# Altium PCB MB1936.PcbDoc (part 1 of 13) (continued)
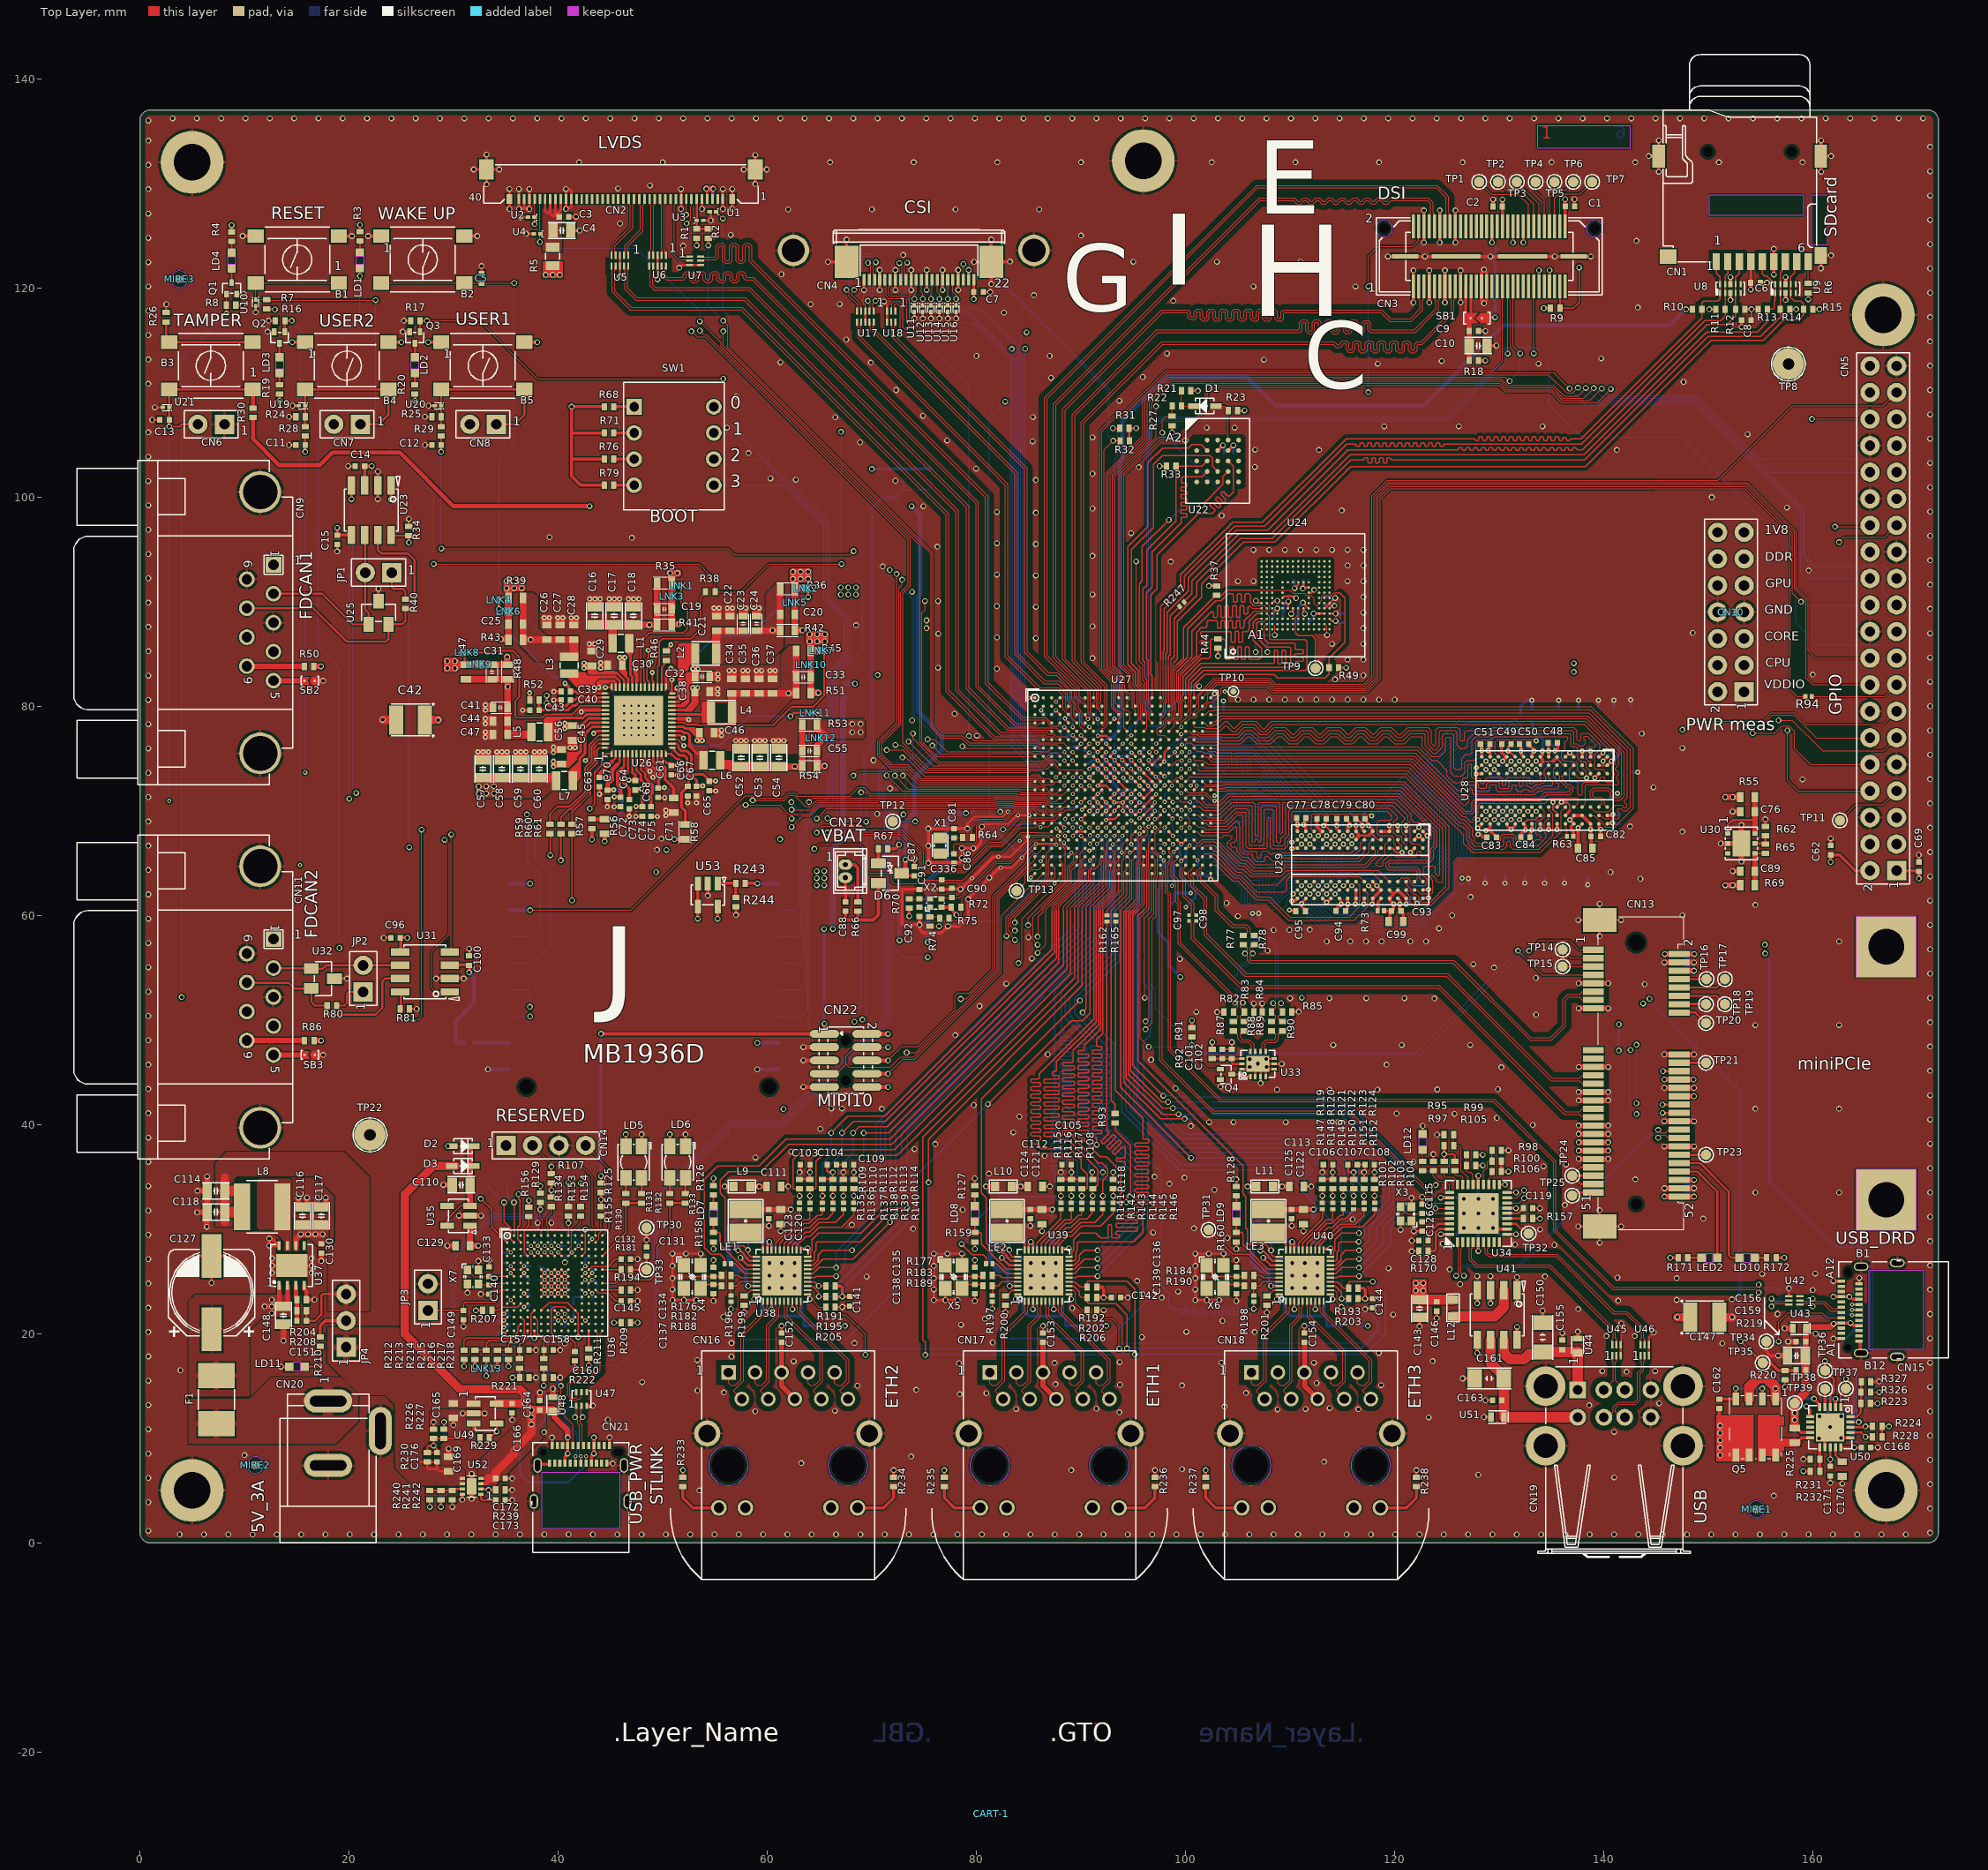
[diagram p0: Top Layer view]
## Design rules (kind name [scope] priority, off if disabled: settings) (continued)
RoutingLayers [All] p7: top layer_v5=TRUE mid layer 1_v5=TRUE mid layer 2_v5=TRUE mid layer 3_v5=TRUE mid layer 4_v5=TRUE bottom layer_v5=TRUE
RoutingVias RoutingVias_Default [All] p1: holewidth=0.15 width=0.4 viastyle="Through Hole" minholewidth=0.15 minwidth=0.4 maxholewidth=0.35 maxwidth=0.6 viatemplateguid#1={5DDA59CE-75AD-463D-953D-41E5DFD22A90} viatemplateguid#2={40F6E5AB-E602-4A5B-B1FB-D504E8CD151B} viatemplateguid#3={5FB3A576-9C61-40FB-A114-9033EB4BA092} viatemplateguid#4={BB8F4C89-420F-4EBC-9772-FD82009DE81A} viatemplateguid#5={3FF096CA-B7A5-4E0B-A50A-8B2CD18CCC19} viatemplatename#1=v50h25m30mx30 viatemplatename#2=v55h35m40mx40 viatemplatename#3=v40h20m0mx0 viatemplatename#4=v40h20m25mx25 viatemplatename#5=v50h25m0mx0
ShortCircuit ShortCircuit_I-SENS-VDDCORE_N [InNet('I_SENS_VDDCORE_N') vs InNet('VDDCORE')] p1: allowed=TRUE
ShortCircuit ShortCircuit_I-SENS-VDDGPU_N [InNet('I_SENS_VDDGPU_N') vs InNet('VDDGPU')] p2: allowed=TRUE
ShortCircuit ShortCircuit_I-SENS-VDDIO_N [InNet('I_SENS_VDDIO_N') vs InNet('VDDIO')] p3: allowed=TRUE
ShortCircuit ShortCircuit_I-SENS-VDDCPU_N [InNet('I_SENS_VDDCPU_N') vs InNet('VDDCPU')] p4: allowed=TRUE
ShortCircuit ShortCircuit_VDD_DDR [InNet('VDD_DDR') And OnLayer('Top Layer') vs InNet('I_SENS_VDD_DDR_4_N') And OnLayer('Top Layer')] p5: allowed=TRUE
ShortCircuit ShortCircuit_Link200 [InPadClass('PC_LINK200')] p6: allowed=TRUE
SilkToSilkClearance [All] p1: silktosilkclearance=0.2
SilkToSolderMaskClearance [IsPad] p1: minsilkscreentomaskgap=0.015 clearancetoexposedcopper=TRUE
SolderMaskExpansion [All] p1: expansion=0.1 istentingtop=FALSE
ViasUnderSMD [InPadClass('PC_VIAS-IN-PAD_OK')] p1: allowed=TRUE
Width Width_SINGLE_50R [InNetClass('NC_SINGLE_SDMMC1_50R') or  InNetClass('NC_SINGLE_SDMMC2_50R') or InNetClass('NC_SINGLE_OCTOSPI_50R') or InNetClass('NC_SINGLE_RGMII_ALL_50R_AND_CLK')] p1: maxlimit=0.199 minlimit=0.078 preferedwidth=0.199 toplayer_minwidth=0.09 toplayer_maxwidth=0.11 toplayer_prefwidth=0.11 bottomlayer_minwidth=0.09 bottomlayer_maxwidth=0.11 bottomlayer_prefwidth=0.11 impedanceprofiledriven=TRUE impedanceprofileid={BF206F84-D843-4EED-AB36-0A4DAE8FF78E} impedanceprofilevalue=50.000000 minimp=50.000000 maximp=50.000000 favimp=50.000000
Width Width_SINGLE_DDR_55R [InNetClass('NC_SINGLE_DDR_55R')] p2: maxlimit=0.199 minlimit=0.078 preferedwidth=0.199 toplayer_minwidth=0.09 toplayer_maxwidth=0.09 toplayer_prefwidth=0.09 bottomlayer_minwidth=0.09 bottomlayer_maxwidth=0.09 bottomlayer_prefwidth=0.09 impedanceprofiledriven=TRUE impedanceprofileid={AA24371C-465E-452F-8EAC-78B770D9C87C} impedanceprofilevalue=55.000000 minimp=50.000000 maximp=50.000000 favimp=50.000000
Width Width_Default [InNetClass('All Nets')] p3: maxlimit=10 minlimit=0.09 preferedwidth=0.1 midlayer1_minwidth=0.1 midlayer2_minwidth=0.1 midlayer3_minwidth=0.1 midlayer4_minwidth=0.1 minimp=50.000000 maximp=50.000000 favimp=50.000000
15 further rules are at their usual default settings.

## Classes and differential pairs
component class "U_Expansion _&_mikroBUS_Connectors": C62 C69 CN5 CN25 R94 R243 R244 R289 U53
component class U_USB_HUB: C115 C119 C126 C128 C143 C146 C150 C155 C161 C163 C273 C275 C276 C277 C283 C284 C285 CN19 L12 LD12 R95 R97 R98 R99 R100 R101 R102 R103 R104 R105 R106 R157 R170 R323 R324 TP32 U34 U41 U44 U45 U46 U51 X3
differential pair class DPC_CSI_100R_CON: CSI.CKcon CSI.D0con CSI.D1con
differential pair class DPC_LVDS_100R: LVDS1.CLK LVDS1.D0 LVDS1.D1 LVDS1.D2 LVDS1.D3
net class NC_SINGLE_OCTOSPI_50R: QSPI1.CLK QSPI1.IO0 QSPI1.IO1 QSPI1.IO2 QSPI1.IO3 QSPI1.NCS1
differential pair class DPC_ETH_100R: RJ451_D1 RJ451_D2 RJ451_D3 RJ451_D4 RJ452_D1 RJ452_D2 RJ452_D3 RJ452_D4 RJ453_D1 RJ453_D2 RJ453_D3 RJ453_D4
net class NC_SINGLE_SDMMC2_50R: eMMC.SDMMC2_CK eMMC.SDMMC2_CMD eMMC.SDMMC2_D0 eMMC.SDMMC2_D1 eMMC.SDMMC2_D2 eMMC.SDMMC2_D3 eMMC.SDMMC2_D4 eMMC.SDMMC2_D5 eMMC.SDMMC2_D6 eMMC.SDMMC2_D7
net class NC_SINGLE_SDMMC1_50R: NetCN1_5 SD.SDMMC1_CK SD.SDMMC1_CMD SD.SDMMC1_D0 SD.SDMMC1_D1 SD.SDMMC1_D2 SD.SDMMC1_D3
net class NC_SINGLE_DDR_55R: DDR_A0 DDR_A1 DDR_A2 DDR_A3 DDR_A4 DDR_A5 DDR_A6 DDR_A7 DDR_A8 DDR_A9 DDR_A10 DDR_A11 DDR_A12 DDR_A13 DDR_ACTN DDR_BA0 DDR_BA1 DDR_BG0 DDR_CASN DDR_CKE DDR_CSN DDR_DQ0 DDR_DQ1 DDR_DQ2 DDR_DQ3 DDR_DQ4 DDR_DQ5 DDR_DQ6 DDR_DQ7 DDR_DQ8 DDR_DQ9 DDR_DQ10 DDR_DQ11 DDR_DQ12 DDR_DQ13 DDR_DQ14 DDR_DQ15 DDR_DQ16 DDR_DQ17 DDR_DQ18 DDR_DQ19 DDR_DQ20 DDR_DQ21 DDR_DQ22 DDR_DQ23 DDR_DQ24 DDR_DQ25 DDR_DQ26 DDR_DQ27 DDR_DQ28 DDR_DQ29 DDR_DQ30 DDR_DQ31 DDR_DQM0 DDR_DQM1 DDR_DQM2 DDR_DQM3 DDR_ODT DDR_RASN DDR_WEN
net class NC_SINGLE_RGMII_ALL_50R_AND_CLK: ETH1.CLK ETH1.CLK125 ETH1.GTX_CLK ETH1.MDC ETH1.MDINT ETH1.MDIO ETH1.RX_CLK ETH1.RX_CTL ETH1.RXD0 ETH1.RXD1 ETH1.RXD2 ETH1.RXD3 ETH1.TX_CTL ETH1.TXD0 ETH1.TXD1 ETH1.TXD2 ETH1.TXD3 ETH1i.CLK125 ETH2.CLK ETH2.CLK125 ETH2.GTX_CLK ETH2.MDC ETH2.MDINT ETH2.MDIO ETH2.RX_CLK ETH2.RX_CTL ETH2.RXD0 ETH2.RXD1 ETH2.RXD2 ETH2.RXD3 ETH2.TX_CTL ETH2.TXD0 ETH2.TXD1 ETH2.TXD2 ETH2.TXD3 ETH3.GTX_CLK ETH3.MDINT ETH3.RX_CLK ETH3.RX_CTL ETH3.RXD0 ETH3.RXD1 ETH3.RXD2 ETH3.RXD3 ETH3.TX_CTL ETH3.TXD0 ETH3.TXD1 ETH3.TXD2 ETH3.TXD3 NetR141_2 NetR142_2 NetR143_2 NetR144_2 NetR145_2 NetR146_2 NetR161_2 NetR162_2 NetR163_2 NetR164_2 NetR165_2 NetR166_2 NetR167_2 NetR168_2 NetR169_2 NetR173_2 NetR174_2 NetR175_2 NetR177_2 NetR178_2 NetR179_2 NetR180_2 NetR185_2 NetR186_2 NetR187_2 NetR189_2 NetR262_2
net class NC_BUS_JTAG: JTCK_SWCLK JTDI JTDO_SWDO JTMS_SWDIO
differential pair class DPC_CSI_100R: CSI.CK CSI.D0 CSI.D1
differential pair class DPC_LVDS_100R_CON: LVDS1.CLKcon LVDS1.D0con LVDS1.D1con LVDS1.D2con LVDS1.D3con
differential pair class DPC_USB_90R: PCIE.USB STLK_USB STLK_USB_CN USB1CN USB2CN USB_DCONN USBDN2 USBDN3 USBDR USBH
differential pair class DPC_PCIE_100R: 100MCLK0 100MCLK1 COMBOTX1 PCIE.CLKIN PCIE.CLKOUT PCIE.RX1 PCIE.TX1 PCIE_CLKOUT
differential pair class DPC_DSI_100R: DSI.CK DSI.D0 DSI.D1 DSI.D2 DSI.D3
differential pair class DPC_DDR_100R: DDR_CLK DDR_DQS0 DDR_DQS1 DDR_DQS2 DDR_DQS3
net class NC_DP_DDR_100R: DDR_CLK_N DDR_CLK_P DDR_DQS0_N DDR_DQS0_P DDR_DQS1_N DDR_DQS1_P DDR_DQS2_N DDR_DQS2_P DDR_DQS3_N DDR_DQS3_P
net class NC_DP_USB_90R: PCIE.USB_N PCIE.USB_P STLK_USB_CN_N STLK_USB_CN_P STLK_USB_N STLK_USB_P USB1CN_N USB1CN_P USB2CN_N USB2CN_P USB_DCONN_N USB_DCONN_P USBDN2_N USBDN2_P USBDN3_N USBDN3_P USBDR_N USBDR_P USBH_N USBH_P
net class SD.SDMMC1_D[0..3]: SD.SDMMC1_D0 SD.SDMMC1_D1 SD.SDMMC1_D2 SD.SDMMC1_D3
net class QSPI1.IO[0..3]: QSPI1.IO0 QSPI1.IO1 QSPI1.IO2 QSPI1.IO3
net class ETH3.TXD[0..3]: ETH3.TXD0 ETH3.TXD1 ETH3.TXD2 ETH3.TXD3
net class ETH3.RXD[0..3]: ETH3.RXD0 ETH3.RXD1 ETH3.RXD2 ETH3.RXD3
net class ETH2.TXD[0..3]: ETH2.TXD0 ETH2.TXD1 ETH2.TXD2 ETH2.TXD3
net class ETH2.RXD[0..3]: ETH2.RXD0 ETH2.RXD1 ETH2.RXD2 ETH2.RXD3
net class ETH1.TXD[0..3]: ETH1.TXD0 ETH1.TXD1 ETH1.TXD2 ETH1.TXD3
net class ETH1.RXD[0..3]: ETH1.RXD0 ETH1.RXD1 ETH1.RXD2 ETH1.RXD3
net class eMMC.SDMMC2_D[0..7]: eMMC.SDMMC2_D0 eMMC.SDMMC2_D1 eMMC.SDMMC2_D2 eMMC.SDMMC2_D3 eMMC.SDMMC2_D4 eMMC.SDMMC2_D5 eMMC.SDMMC2_D6 eMMC.SDMMC2_D7
net class BOOT[0..3]: BOOT0 BOOT1 BOOT2 BOOT3
net class ARD_D[0..15]: EXP_GPIO2 EXP_GPIO3
component class U_Video: C1 C2 C3 C4 C7 C9 C10 C174 CN2 CN3 CN4 R1 R2 R5 R9 R18 R250 R251 SB1 TP1 TP2 TP3 TP4 TP5 TP6 TP7 U1 U2 U3 U4 U5 U6 U7 U11 U12 U13 U14 U15 U16 U17 U18
component class U_USB_PCIe: C97 C98 C101 C102 C156 C159 C162 C168 C170 C171 C265 C266 C267 C268 C269 C272 C274 C334 C335 CN13 HW8 HW9 HW10 HW11 LD10 LED2 Q4 Q5 R77 R78 R82 R83 R84 R85 R87 R88 R89 R90 R91 R92 R171 R172 R219 R220 R223 R225 R231 R232 R274 R285 R287 R290 R291 R325 R326 TP14 TP15 TP16 TP17 TP18 TP19 TP20 TP21 TP23 TP24 TP25 TP34 TP36 TP37 TP38 TP39 U33 U42 U43 U50
component class U_2_DDR4_16bits: C48 C49 C50 C51 C77 C78 C79 C80 C82 C83 C84 C85 C93 C94 C95 C99 C183 C184 C185 C186 C187 C188 C189 C198 C202 C211 C226 C236 C238 C239 C245 C247 C254 C255 C256 C257 C258 C259 C261 C262 C264 CN3 R63 R73 R252 R253 R254 R255 R256 R257 R258 R259 R262 R263 R264 R265 R266 R268 R270 R271 R273 R275 R276 R277 R278 R279 R280 R281 R282 R283 R284 TP10 U29
component class U_STLINK_V3EC: C110 C129 C131 C132 C133 C140 C145 C149 C157 C158 C160 C164 C165 C166 C169 C172 C173 C176 C281 C282 C289 C290 C297 C298 C299 C303 C310 C311 C324 C325 C326 C327 C328 C329 C333 CN14 D2 D3 JP3 LD5 LD6 LNK13 R129 R130 R131 R132 R133 R134 R153 R154 R155 R156 R181 R194 R207 R209 R211 R212 R213 R214 R215 R216 R217 R218 R221 R222 R226 R227 R229 R230 R239 R240 R241 R242 TP26 TP27 TP28 TP29 TP33 U35 U36 U47 U48 U49 U52 X7
component class U_SDcard_eMMC: C6 C8 C177 C178 C179 C180 C181 C182 CN1 D5 HW7 R6 R10 R11 R12 R13 R14 R15 R37 R44 R49 R247 R248 TP9 U8 U9 U24
component class U_QSPI_NOR: C175 D1 R21 R22 R23 R33 U22
component class U_Power_MPU: C87 C88 C190 C191 C192 C193 C194 C195 C196 C197 C199 C200 C201 C203 C204 C205 C206 C207 C208 C209 C210 C212 C213 C214 C215 C216 C217 C218 C219 C220 C221 C222 C223 C224 C225 C227 C228 C229 C230 C231 C232 C233 C234 C235 C237 C240 C241 C242 C243 C244 C246 C248 C249 C250 C251 C252 C253 C260 CN12 D6 R66 R67 R249 R267 R269 R286 TP22
component class U_Power_PMIC: B2 C5 C16 C17 C18 C19 C20 C21 C22 C23 C24 C25 C26 C27 C28 C29 C30 C31 C32 C33 C34 C35 C36 C37 C38 C39 C40 C41 C42 C43 C44 C45 C46 C47 C52 C53 C54 C55 C56 C57 C58 C59 C60 C61 C63 C64 C65 C66 C67 C68 C70 C71 C72 C73 C74 C75 C76 C89 C114 C116 C117 C118 C127 C130 C147 C148 C151 CN10 CN20 F1 HW1 JP4 L1 L2 L3 L4 L5 L6 L7 L8 LD11 LNK1 LNK2 LNK3 LNK4 LNK5 LNK6 LNK7 LNK8 LNK9 LNK10 LNK11 LNK12 R35 R36 R38 R39 R41 R42 R43 R45 R46 R47 R48 R51 R52 R53 R54 R55 R56 R57 R58 R59 R60 R61 R62 R65 R69 R204 R208 R210 TP8 U26 U30 U37
component class U_Peripherals: B1 B3 B4 B5 C11 C12 C13 CN6 CN7 CN8 HW2 HW3 HW4 HW5 HW6 HW1301 HW1302 HW1303 LD1 LD2 LD12 Q1 Q2 Q3 R3 R4 R7 R8 R16 R17 R19 R20 R24 R25 R26 R28 R29 R30 R68 R71 R76 R79 SW1 U10 U19 U20 U21
component class U_MP257_18x18: C81 C86 C90 C91 C92 CN3 CN22 R27 R31 R32 R64 R70 R72 R74 R75 R107 R125 R205 R206 R224 R228 R245 R246 R260 R261 R272 TP11 TP12 TP13 TP30 TP35 X1 X2
component class U_FDCAN: C14 C15 C96 C100 CN9 CN11 JP1 JP2 R34 R40 R50 R80 R81 R86 SB2 SB3 U23 U25 U31 U32
component class U_Ethernet3: C106 C107 C108 C113 C122 C125 C136 C139 C144 C154 C278 C286 C291 C292 C300 C304 C307 C312 C315 C318 C319 C330 CN18 L11 L13 LD9 LE3 R119 R120 R121 R122 R123 R124 R128 R147 R148 R149 R150 R151 R152 R160 R163 R166 R169 R175 R180 R184 R187 R190 R193 R198 R201 R203 R237 R238 R297 R298 R299 R306 R307 R308 R311 R314 R315 R320 TP31 U40 X6
component class U_Ethernet2: C103 C104 C109 C111 C120 C123 C134 C137 C141 C152 C280 C288 C295 C296 C302 C306 C309 C314 C317 C322 C323 C332 CN16 L9 L15 LD7 LE1 R109 R110 R111 R112 R113 R114 R126 R135 R136 R137 R138 R139 R140 R158 R161 R164 R167 R173 R176 R178 R182 R185 R188 R191 R195 R196 R199 R233 R234 R292 R293 R303 R304 R305 R310 R313 R318 R319 R322 U38 X4
component class U_Ethernet1: C105 C112 C121 C124 C135 C138 C142 C153 C270 C271 C279 C287 C293 C294 C301 C305 C308 C313 C316 C320 C321 C331 CN17 L10 L14 LD8 LE2 R93 R108 R115 R116 R117 R118 R127 R141 R142 R143 R144 R145 R146 R159 R162 R165 R168 R174 R177 R179 R183 R186 R189 R192 R197 R200 R202 R235 R236 R294 R295 R296 R300 R301 R302 R309 R312 R316 R317 R321 U39 X5
pad class PC_VIAS-IN-PAD_OK: U121-25 U801-15 U5002-9 U9000-21
pad class PC_LINK200: LNK4000-1 LNK4000-2 LNK4001-1 LNK4001-2 LNK4002-1 LNK4002-2 LNK4004-1 LNK4004-2 LNK4005-1 LNK4005-2 LNK4006-1 LNK4006-2 LNK4007-1 LNK4007-2 LNK4008-1 LNK4008-2 LNK4009-1 LNK4009-2
differential pair LVDS1.D3con: +LVDS1.D3con_P -LVDS1.D3con_N
differential pair LVDS1.D2con: +LVDS1.D2con_P -LVDS1.D2con_N
differential pair LVDS1.D1con: +LVDS1.D1con_P -LVDS1.D1con_N
differential pair LVDS1.D0con: +LVDS1.D0con_P -LVDS1.D0con_N
differential pair LVDS1.CLKcon: +LVDS1.CLKcon_P -LVDS1.CLKcon_N
differential pair CSI.D1con: +CSI.D1con_P -CSI.D1con_N
differential pair CSI.D0con: +CSI.D0con_P -CSI.D0con_N
differential pair CSI.CKcon: +CSI.CKcon_P -CSI.CKcon_N
differential pair USBDR: +USBDR_P -USBDR_N
differential pair USBDN3: +USBDN3_P -USBDN3_N
differential pair USBDN2: +USBDN2_P -USBDN2_N
differential pair USB_DCONN: +USB_DCONN_P -USB_DCONN_N
differential pair USB2CN: +USB2CN_P -USB2CN_N
differential pair USB1CN: +USB1CN_P -USB1CN_N
differential pair STLK_USB: +STLK_USB_P -STLK_USB_N
differential pair STLK_USB_CN: +STLK_USB_CN_P -STLK_USB_CN_N
differential pair RJ453_D4: +RJ453_D4_P -RJ453_D4_N
differential pair RJ453_D3: +RJ453_D3_P -RJ453_D3_N
differential pair RJ453_D2: +RJ453_D2_P -RJ453_D2_N
differential pair RJ453_D1: +RJ453_D1_P -RJ453_D1_N
differential pair RJ452_D4: +RJ452_D4_P -RJ452_D4_N
differential pair RJ452_D3: +RJ452_D3_P -RJ452_D3_N
differential pair RJ452_D2: +RJ452_D2_P -RJ452_D2_N
differential pair RJ452_D1: +RJ452_D1_P -RJ452_D1_N
differential pair RJ451_D4: +RJ451_D4_P -RJ451_D4_N
differential pair RJ451_D3: +RJ451_D3_P -RJ451_D3_N
differential pair RJ451_D2: +RJ451_D2_P -RJ451_D2_N
differential pair RJ451_D1: +RJ451_D1_P -RJ451_D1_N
differential pair PCIE_CLKOUT: +PCIE_CLKOUT_P -PCIE_CLKOUT_N
differential pair PCIE.USB: +PCIE.USB_P -PCIE.USB_N
differential pair PCIE.CLKIN: +PCIE.CLKIN_P -PCIE.CLKIN_N
differential pair LVDS1.CLK: +LVDS1.CLK_P -LVDS1.CLK_N
differential pair DDR_DQS3: +DDR_DQS3_P -DDR_DQS3_N
differential pair DDR_DQS2: +DDR_DQS2_P -DDR_DQS2_N
differential pair DDR_DQS1: +DDR_DQS1_P -DDR_DQS1_N
differential pair DDR_DQS0: +DDR_DQS0_P -DDR_DQS0_N
differential pair DDR_CLK: +DDR_CLK_P -DDR_CLK_N
differential pair COMBOTX1: +COMBOTX1_P -COMBOTX1_N
differential pair 100MCLK1: +100MCLK1_P -100MCLK1_N
differential pair 100MCLK0: +100MCLK0_P -100MCLK0_N
differential pair USBH: +USBH_P -USBH_N
differential pair PCIE.TX1: +PCIE.TX1_P -PCIE.TX1_N
differential pair PCIE.RX1: +PCIE.RX1_P -PCIE.RX1_N
differential pair PCIE.CLKOUT: +PCIE.CLKOUT_P -PCIE.CLKOUT_N
differential pair LVDS1.D3: +LVDS1.D3_P -LVDS1.D3_N
differential pair LVDS1.D2: +LVDS1.D2_P -LVDS1.D2_N
differential pair LVDS1.D1: +LVDS1.D1_P -LVDS1.D1_N
differential pair LVDS1.D0: +LVDS1.D0_P -LVDS1.D0_N
differential pair DSI.D3: +DSI.D3_P -DSI.D3_N
differential pair DSI.D2: +DSI.D2_P -DSI.D2_N
differential pair CSI.D1: +CSI.D1_P -CSI.D1_N
differential pair CSI.D0: +CSI.D0_P -CSI.D0_N
differential pair CSI.CK: +CSI.CK_P -CSI.CK_N
differential pair DSI.D1: +DSI.D1_P -DSI.D1_N
differential pair DSI.D0: +DSI.D0_P -DSI.D0_N
differential pair DSI.CK: +DSI.CK_P -DSI.CK_N

## Components (designator, comment, footprint, x,y, rotation, side; value= is the part's Value field where it differs from the comment)
B1 "SW_PUSH_SMD" SWI_KNITTER_TSS644S 15.048,122.7 r180 top value=SW-PUSH-TSS644S
B2 "SW_PUSH_SMD" SWI_KNITTER_TSS644S 27.048,122.7 r0 top value=SW-PUSH-TSS644S
B3 "SW_PUSH_SMD" SWI_KNITTER_TSS644S 6.787,112.55 r180 top value=SW-PUSH-TSS644S
B4 "SW_PUSH_SMD" SWI_KNITTER_TSS644S 19.787,112.55 r0 top value=SW-PUSH-TSS644S
B5 "SW_PUSH_SMD" SWI_KNITTER_TSS644S 32.788,112.55 r0 top value=SW-PUSH-TSS644S
C1 "Capacitor" C0402 136.75,127.796 r180 top value=100nF
C2 "Capacitor" C0402 129.85,127.775 r0 top value=100nF
C3 "Capacitor" C0402 40.55,126.8 r180 top value=100nF
C4 "Capacitor" C0805 40.35,125.475 r180 top value=47uF
C5 "Capacitor" C0402 32.675,120.9 r270 top value=10nF
C6 "Capacitor" C0402 154.5,120.48 r180 top value=4.7uF
C7 "Capacitor" C0402 80.2,119.6 r180 top value=1uF
C8 "Capacitor" C0402 153.625,116.925 r0 top value=100nF
C9 "Capacitor" C0402 127.573,115.875 r180 top value=100nF
C10 "Capacitor" C0805 127.973,114.475 r180 top value=47uF
C11 "Capacitor" C0402 15.363,104.975 r0 top value=100nF
C12 "Capacitor" C0402 28.363,104.975 r0 top value=100nF
C13 "Capacitor" C0402 2.362,107.375 r0 top value=1nF
C14 "Capacitor" C0402 21.044,102.946 r180 top value=100nF
C15 "Capacitor" C0402 18.869,95.911 r90 top value=100nF
C16 "Capacitor" C0805 43.5,88.627 r270 top value=22uF
C17 "Capacitor" C0805 45.35,88.627 r270 top value=22uF
C18 "Capacitor" C0805 47.2,88.627 r270 top value=22uF
C19 "Capacitor" C0603 50.155,89.277 r180 top value=22uF
C20 "Capacitor" C0603 61.93,88.752 r180 top value=22uF
C21 "Capacitor" C0603 55.15,87.902 r270 top value=22uF
C22 "Capacitor" C0603 56.425,87.902 r270 top value=22uF
C23 "Capacitor" C0603 57.7,87.902 r270 top value=22uF
C24 "Capacitor" C0603 58.975,87.902 r270 top value=22uF
C25 "Capacitor" C0603 35.945,87.852 r0 top value=22uF
C26 "Capacitor" C0603 38.9,87.052 r270 top value=22uF
C27 "Capacitor" C0603 40.2,87.052 r270 top value=22uF
C28 "Capacitor" C0603 41.5,87.052 r270 top value=22uF
C29 "Capacitor" C0603 43.225,84.552 r270 top value=10uF
C30 "Capacitor" C0603 45.45,83.902 r0 top value=10uF
C31 "Capacitor" C0603 33.675,83.277 r270 top value=22uF
C32 "Capacitor" C0603 53.8,82.827 r180 top value=10uF
C33 "Capacitor" C0603 63.455,82.777 r180 top value=22uF
C34 "Capacitor" C0603 56.6,81.927 r270 top value=22uF
C35 "Capacitor" C0603 57.9,81.927 r270 top value=22uF
C36 "Capacitor" C0603 59.2,81.927 r270 top value=22uF
C37 "Capacitor" C0603 60.5,81.927 r270 top value=22uF
C38 "Capacitor" C0603 53.775,81.402 r180 top value=10uF
C39 "Capacitor" C0402 40.725,81.402 r0 top value=10uF
C40 "Capacitor" C0402 40.725,80.577 r0 top value=10uF
C41 "Capacitor" C0603 34.475,79.877 r0 top value=22uF
C42 "Cap_POL_TANA" CPOL_TCJ-B_1210_H210 25.875,78.675 r180 top value=100uF
C43 "Capacitor" C0402 37.735,79.627 r180 top value=1uF
C44 "Capacitor" C0603 34.475,78.577 r0 top value=22uF
C45 "Capacitor" C0603 41.375,77.427 r90 top value=10uF
C46 "Capacitor" C0603 54.2,77.452 r180 top value=10uF
C47 "Capacitor" C0603 34.475,77.277 r0 top value=22uF
C48 "Capacitor" C0402 135.125,76.5 r0 top value=100nF
C49 "Capacitor" C0402 130.675,76.375 r0 top value=100nF
C50 "Capacitor" C0402 132.375,76.375 r180 top value=100nF
C51 "Capacitor" C0402 128.645,76.365 r0 top value=100nF
C52 "Capacitor" C0805 57.5,75.077 r270 top value=22uF
C53 "Capacitor" C0805 59.3,75.077 r270 top value=22uF
C54 "Capacitor" C0805 61.1,75.077 r270 top value=22uF
C55 "Capacitor" C0603 64.055,75.727 r180 top value=22uF
C56 "Capacitor" C0603 40.3,75.152 r270 top value=10uF
C57 "Capacitor" C0805 32.8,74 r270 top value=22uF
C58 "Capacitor" C0805 34.6,74 r270 top value=22uF
C59 "Capacitor" C0805 36.4,74 r270 top value=22uF
C60 "Capacitor" C0805 38.2,74 r270 top value=22uF
C61 "Capacitor" C0402 50.825,73.877 r90 top value=4.7uF
C62 "Capacitor" C0402 161.7,66.225 r270 top value=100nF
C63 "Capacitor" C0402 43.95,72.727 r270 top value=4.7uF
C64 "Capacitor" C0402 47.375,72.427 r90 top value=1uF
C65 "Capacitor" C0402 54.45,72.372 r270 top value=4.7uF
C66 "Capacitor" C0402 52.4,71.875 r90 top value=4.7uF
C67 "Capacitor" C0402 53.225,71.877 r90 top value=1uF
C68 "Capacitor" C0402 49.55,71.727 r90 top value=4.7uF
C69 "Capacitor" C0402 170.125,64.65 r90 top value=100nF
C70 "Capacitor" C0402 44.725,71.522 r90 top value=1uF
C71 "Capacitor" C0603 51.05,70.527 r90 top value=4.7uF
C72 "Capacitor" C0402 45.975,70.827 r270 top value=4.7uF
C73 "Capacitor" C0402 46.8,70.627 r270 top value=4.7uF
C74 "Capacitor" C0402 48.05,69.927 r270 top value=4.7uF
C75 "Capacitor" C0402 48.875,69.927 r270 top value=4.7uF
C76 "Capacitor" C0603 153.75,69.925 r0 top value=10uF
C77 "Capacitor" C0402 111.075,69.3 r0 top value=100nF
C78 "Capacitor" C0402 113,69.25 r0 top value=100nF
C79 "Capacitor" C0402 114.925,69.25 r180 top value=100nF
C80 "Capacitor" C0402 116.725,69.25 r0 top value=100nF
C81 "Capacitor" C0402 77.85,67.85 r90 top value=6.8pF
C82 "Capacitor" C0402 139.225,67.55 r0 top value=100nF
C83 "Capacitor" C0402 129.275,67.45 r0 top value=100nF
C84 "Capacitor" C0402 132.5,67.45 r180 top value=100nF
C85 "Capacitor" C0603 138.225,66.425 r180 top value=10uF
C86 "Capacitor" C0402 77.85,65.45 r270 top value=6.8pF
C87 "" C0402 74.062,64.225 r270 top value=100nF
C88 "Capacitor" C0402 67.475,60.85 r270 top value=2.2uF
C89 "Capacitor" C0603 153.755,64.225 r0 top value=10uF
C90 "Capacitor" C0402 77.65,62.15 r270 top value=6.8pF
C91 "Capacitor" C0402 74.55,62.025 r270 top value=10nF
C92 "Capacitor" C0402 74.55,60.325 r270 top value=6.8pF
C93 "Capacitor" C0402 120.15,60.425 r0 top value=100nF
C94 "Capacitor" C0402 114.844,60.422 r180 top value=100nF
C95 "Capacitor" C0402 111,60.4 r0 top value=100nF
C96 "Capacitor" C0402 24.44,57.845 r0 top value=100nF
C97 "Capacitor" C0201_MURATA_GRM033_H0P3 100.325,59.75 r270 top value=100nF
C98 "Capacitor" C0201_MURATA_GRM033_H0P3 101.025,59.75 r270 top value=100nF
C99 "Capacitor" C0603 120.125,59.39 r0 top value=10uF
C100 "Capacitor" C0402 31.475,55.67 r90 top value=100nF
C101 "Capacitor" C0402 103.525,46.74 r270 top value=100nF
C102 "Capacitor" C0402 104.425,46.74 r270 top value=100nF
C103 "" C0402 63.625,36.17 r0 top value=100nF
C104 "" C0402 66.175,36.17 r180 top value=100nF
C105 "" C0402 88.625,36.17 r0 top value=100nF
C106 "" C0402 113.625,36.17 r0 top value=100nF
C107 "" C0402 115.975,36.17 r180 top value=100nF
C108 "" C0402 117.605,36.17 r0 top value=100nF
C109 "" C0402 67.825,36.15 r0 top value=100nF
C110 "Capacitor" C0805 30.725,34.225 r0 top value=2.2uF
C111 "" C0603 60.62,34.07 r180 top value=22uF
C112 "" C0603 85.62,34.07 r180 top value=22uF
C113 "" C0603 110.62,34.07 r0 top value=22uF
C114 "Capacitor" C0805 7.275,33.65 r0 top value=47uF
C115 "Capacitor" C0402 122.625,31.95 r270 top value=6.8pF
C116 "Capacitor" C0805_H0P85 15.55,31.25 r270 top value=100nF
C117 "Capacitor" C0805 17.35,31.25 r270 top value=10uF
C118 "Capacitor" C0805 7.275,31.625 r0 top value=47uF
C119 "Capacitor" C0402 132.761,32 r180 top value=100nF
C120 "" C0603 61.275,31.175 r90 top value=22uF
C121 "" C0603 86.275,31.175 r90 top value=22uF
C122 "" C0603 111.275,31.175 r90 top value=22uF
C123 "" C0402 60.15,31.425 r90 top value=100nF
C124 "" C0402 85.15,31.425 r90 top value=100nF
C125 "" C0402 110.15,31.425 r90 top value=100nF
C126 "Capacitor" C0402 122.625,30.25 r90 top value=6.8pF
C127 "Cap_POL_TANA" CPOL_WURTH_WCAP-ASLL_8X10P5 6.85,23.925 r270 top value=100uF
C128 "Capacitor" C0402 122.75,28.9 r0 top value=100nF
C129 "Capacitor" C0603 30.87,28.4 r0 top value=10uF
C130 "Capacitor" C0402 17.35,28.15 r90 top value=22pF
C131 "Capacitor" C0402 48.45,27.85 r270 top value=20pF
C132 "Capacitor" C0402 46.475,27.125 r180 top value=2.2uF
C133 "Capacitor" C0402 33.395,25.925 r90 top value=2.7pF
C134 "" C0402 54.85,25.9 r270 top value=10pF
C135 "" C0402 79.85,25.9 r270 top value=10pF
C136 "" C0402 104.85,25.9 r270 top value=10pF
C137 "" C0402 54.85,24.25 r90 top value=10pF
C138 "" C0402 79.85,24.25 r90 top value=10pF
C139 "" C0402 104.85,24.25 r90 top value=10pF
C140 "Capacitor" C0402 33.395,24.225 r90 top value=2.7pF
C141 "" C0402 67.9,23.1 r90 top value=100nF
C142 "" C0402 93.35,23.45 r180 top value=100nF
C143 "Capacitor" C0805 122.375,22.4 r90 top value=47uF
C144 "" C0402 117.9,22.9 r90 top value=100nF
C145 "Capacitor" C0402 46.475,23.125 r180 top value=2.2uF
C146 "Capacitor" C0402 124.025,22.6 r90 top value=100nF
C147 "Cap_POL_TANA" CPOL_TCJ-B_1210_H210 149.65,21.575 r0 top value=100uF
C148 "Capacitor" C0805 13.725,21.75 r90 top value=10uF
C149 "Capacitor" C0402 30.95,21.775 r90 top value=100nF
C150 "Capacitor" C1206_H1P6 134.15,19.65 r270 top value=220uF
C151 "Capacitor" C0402 15.475,21.225 r180 top value=100pF
C152 "" C0402 61.365,19.625 r270 top value=100nF
C153 "" C0402 86.365,19.625 r270 top value=100nF
C154 "" C0402 111.365,19.625 r270 top value=100nF
C155 "Capacitor" C0402 136.025,18.925 r270 top value=100nF
C156 "Capacitor" C0402 158.85,19.25 r0 top value=100pF
C157 "Capacitor" C0402 36.755,18.425 r0 top value=10nF
C158 "Capacitor" C0402 39.075,18.425 r0 top value=10nF
C159 "Capacitor" C0805 158.425,17.9 r0 top value=2.2uF
C160 "Capacitor" C0402 41.6,17.85 r90 top value=2.2uF
C161 "Capacitor" C1206_H1P6 129.045,15.715 r0 top value=220uF
C162 "Capacitor" C0402 151.045,13.3 r270 top value=22pF
C163 "Capacitor" C0402 129.795,13.626 r0 top value=100nF
C164 "Capacitor" C0402 38.25,13.15 r90 top value=100pF
C165 "Capacitor" C0603 29.975,12.625 r90 top value=10uF
C166 "Capacitor" C0402 35.6,12.875 r90 top value=100nF
C168 "Capacitor" C0402 165.075,9.125 r180 top value=470pF
C169 "Capacitor" C0603 29.52,7.525 r270 top value=10uF
C170 "Capacitor" C0603 162.8,7.045 r90 top value=100nF
C171 "Capacitor" C0402 161.65,6.85 r90 top value=470pF
C172 "Capacitor" C0402 34.475,6.15 r180 top value=100nF
C173 "Capacitor" C0402 34.475,4.075 r180 top value=10nF
C174 "Capacitor" C0402 55.275,128.725 r180 bottom value=100nF
C175 "Capacitor" C0402 104.116,104.216 r0 bottom value=100nF
C176 "Capacitor" C0402 28.425,8.175 r90 top value=10uF
C177 "Capacitor" C0402 110.8,92.025 r0 bottom value=100nF
C178 "Capacitor" C0402 113.275,90 r270 bottom value=2.2uF
C179 "Capacitor" C0402 115.225,88.475 r270 bottom value=100nF
C180 "Capacitor" C0402 108.85,88.475 r0 bottom value=2.2uF
C181 "Capacitor" C0402 106.7,86.35 r90 bottom value=2.2uF
C182 "Capacitor" C0402 107.825,86.35 r90 bottom value=100nF
C183 "Capacitor" C0603 142.575,79.25 r270 bottom value=10uF
C184 "Capacitor" C0402 140.925,79.475 r270 bottom value=100nF
C185 "Capacitor" C0402 139.475,79.475 r270 bottom value=100nF
C186 "Capacitor" C0402 137.575,79.475 r270 bottom value=100nF
C187 "Capacitor" C0402 135.675,79.475 r270 bottom value=100nF
C188 "Capacitor" C0603 133.125,79.125 r270 bottom value=10uF
C189 "Capacitor" C0402 103.17,79.846 r0 bottom value=100nF
C190 "Capacitor" C0201_MURATA_GRM033_H0P3 91.15,79.375 r180 bottom value=100nF
C191 "Capacitor" C0201_MURATA_GRM033_H0P3 86.9,79.175 r0 bottom value=100nF
C192 "Capacitor" C0201_MURATA_GRM033_H0P3 87.8,78.375 r90 bottom value=100nF
C193 "Capacitor" C0201_MURATA_GRM033_H0P3 91.6,77.975 r270 bottom value=100nF
C194 "Capacitor" C0201_MURATA_GRM033_H0P3 88.35,77.2 r0 bottom value=100nF
C195 "Capacitor" C0201_MURATA_GRM033_H0P3 93.201,76.675 r90 bottom value=100nF
C196 "Capacitor" C0201_MURATA_GRM033_H0P3 90.85,76.925 r0 bottom value=100nF
C197 "Capacitor" C0201_MURATA_GRM033_H0P3 89.2,76.4 r90 bottom value=100nF
C198 "Capacitor" C0402 141,76.25 r180 bottom value=100nF
C199 "Capacitor" C0201_MURATA_GRM033_H0P3 94.05,75.875 r0 bottom value=1uF
C200 "Capacitor" C0201_MURATA_GRM033_H0P3 96.075,75.6 r90 bottom value=1uF
C201 "Capacitor" C0201_MURATA_GRM033_H0P3 90.025,75.825 r0 bottom value=100nF
C202 "Capacitor" C0402 141.025,75.425 r180 bottom value=100nF
C203 "Capacitor" C0201_MURATA_GRM033_H0P3 93.75,75.25 r0 bottom value=1uF
C204 "Capacitor" C0201_MURATA_GRM033_H0P3 92.55,75.25 r0 bottom value=1uF
C205 "Capacitor" C0201_MURATA_GRM033_H0P3 90.5,74.775 r90 bottom value=100nF
C206 "Capacitor" C0201_MURATA_GRM033_H0P3 97.28,74.91 r0 bottom value=100nF
C207 "Capacitor" C0201_MURATA_GRM033_H0P3 91.2,74.525 r270 bottom value=1uF
C208 "Capacitor" C0201_MURATA_GRM033_H0P3 94.425,74.48 r180 bottom value=1uF
C209 "Capacitor" C0201_MURATA_GRM033_H0P3 96.175,74.475 r180 bottom value=1uF
C210 "Capacitor" C0201_MURATA_GRM033_H0P3 92.826,74.475 r180 bottom value=1uF
C211 "Capacitor" C0402 142.175,73.675 r180 bottom value=100nF
C212 "Capacitor" C0201_MURATA_GRM033_H0P3 89.925,73.775 r0 bottom value=100nF
C213 "Capacitor" C0201_MURATA_GRM033_H0P3 93.601,73.65 r180 bottom value=1uF
C214 "Capacitor" C0201_MURATA_GRM033_H0P3 91.825,73.65 r180 bottom value=1uF
C215 "Capacitor" C0201_MURATA_GRM033_H0P3 95.232,73.625 r0 bottom value=1uF
C216 "Capacitor" C0201_MURATA_GRM033_H0P3 96.356,73.524 r0 bottom value=1uF
C217 "Capacitor" C0201_MURATA_GRM033_H0P3 97.5,72.925 r90 bottom value=1uF
C218 "Capacitor" C0201_MURATA_GRM033_H0P3 96.349,72.875 r180 bottom value=1uF
C219 "Capacitor" C0201_MURATA_GRM033_H0P3 92.825,72.825 r0 bottom value=1uF
C220 "Capacitor" C0201_MURATA_GRM033_H0P3 94.4,72.775 r180 bottom value=1uF
C221 "Capacitor" C0201_MURATA_GRM033_H0P3 92.025,72 r270 bottom value=1uF
C222 "Capacitor" C0201_MURATA_GRM033_H0P3 94.4,72 r0 bottom value=1uF
C223 "Capacitor" C0201_MURATA_GRM033_H0P3 93.3,72 r180 bottom value=1uF
C224 "Capacitor" C0201_MURATA_GRM033_H0P3 96.301,71.974 r0 bottom value=1uF
C225 "Capacitor" C0201_H0P5 90,71.8 r0 bottom value=4.7uF
C226 "Capacitor" C0402 140.1,71.25 r180 bottom value=100nF
C227 "Capacitor" C0201_MURATA_GRM033_H0P3 96.375,71.275 r180 bottom value=1uF
C228 "Capacitor" C0201_MURATA_GRM033_H0P3 91.2,71.2 r0 bottom value=1uF
C229 "Capacitor" C0201_MURATA_GRM033_H0P3 96.075,70.43 r270 bottom value=1uF
C230 "Capacitor" C0201_MURATA_GRM033_H0P3 96.675,70.425 r270 bottom value=1uF
C231 "Capacitor" C0201_MURATA_GRM033_H0P3 92.675,70.48 r0 bottom value=1uF
C232 "Capacitor" C0201_MURATA_GRM033_H0P3 94.45,70.425 r180 bottom value=1uF
C233 "Capacitor" C0201_MURATA_GRM033_H0P3 91.2,70.388 r180 bottom value=1uF
C234 "Capacitor" C0201_MURATA_GRM033_H0P3 89.575,70.025 r270 bottom value=100nF
C235 "Capacitor" C0201_H0P5 88.6,70.125 r180 bottom value=2.2uF
C236 "Capacitor" C0603 116.398,69.798 r180 bottom value=10uF
C237 "Capacitor" C0201_MURATA_GRM033_H0P3 97.45,69.675 r270 bottom value=1uF
C238 "Capacitor" C0402 141.525,69.175 r270 bottom value=100nF
C239 "Capacitor" C0402 139.8,69.55 r180 bottom value=100nF
C240 "Capacitor" C0201_MURATA_GRM033_H0P3 92.8,69.6 r0 bottom value=1uF
C241 "Capacitor" C0201_MURATA_GRM033_H0P3 91.2,69.6 r180 bottom value=1uF
C242 "Capacitor" C0201_MURATA_GRM033_H0P3 94.475,69.575 r180 bottom value=1uF
C243 "Capacitor" C0201_MURATA_GRM033_H0P3 96.25,69.575 r180 bottom value=1uF
C244 "Capacitor" C0201_MURATA_GRM033_H0P3 87.65,69.425 r0 bottom value=100nF
C245 "Capacitor" C0402 122.975,68.7 r90 bottom value=100nF
C246 "Capacitor" C0201_MURATA_GRM033_H0P3 97.075,67.825 r0 bottom value=100nF
C247 "Capacitor" C0402 122.125,66.975 r0 bottom value=100nF
C248 "Capacitor" C0201_MURATA_GRM033_H0P3 88.375,66.125 r270 bottom value=100nF
C249 "Capacitor" C0201_MURATA_GRM033_H0P3 99.65,66.325 r180 bottom value=100nF
C250 "Capacitor" C0201_MURATA_GRM033_H0P3 87.025,65.875 r270 bottom value=1uF
C251 "Capacitor" C0201_MURATA_GRM033_H0P3 97.3,65.575 r270 bottom value=100nF
C252 "Capacitor" C0201_MURATA_GRM033_H0P3 99.775,65.675 r180 bottom value=100nF
C253 "Capacitor" C0201_MURATA_GRM033_H0P3 98.85,65.275 r90 bottom value=100nF
C254 "Capacitor" C0603 138.45,64.35 r90 bottom value=10uF
C255 "Capacitor" C0402 136.25,64.15 r90 bottom value=100nF
C256 "Capacitor" C0402 134.35,64.15 r90 bottom value=100nF
C257 "Capacitor" C0402 132.45,64.15 r90 bottom value=100nF
C258 "Capacitor" C0402 130.55,64.15 r90 bottom value=100nF
C259 "Capacitor" C0402 128.65,64.15 r90 bottom value=100nF
C260 "Capacitor" C0201_MURATA_GRM033_H0P3 99.775,64.675 r180 bottom value=100nF
C261 "Capacitor" C0402 126.75,62.9 r180 bottom value=100nF
C262 "Capacitor" C0402 122.15,61.75 r0 bottom value=100nF
C264 "Capacitor" C0402 106.7,59.525 r180 bottom value=100nF
C265 "Capacitor" C0201_H0P3 147.9,56.15 r270 bottom value=100nF
C266 "Capacitor" C0201_H0P3 147.9,54.85 r90 bottom value=100nF
C267 "Capacitor" C0201_H0P3 147.95,43.1 r90 bottom value=100nF
C268 "Capacitor" C0201_H0P3 139.75,38.7 r90 bottom value=100nF
C269 "Capacitor" C0201_H0P3 138.25,37.1 r90 bottom value=100nF
C270 "" C0402 92.925,36.15 r0 bottom value=100nF
C271 "" C0402 91.225,36.15 r180 bottom value=100nF
C272 "Capacitor" C0201_H0P3 147.9,34.55 r270 bottom value=100nF
C273 "Capacitor" C0402 128,34.025 r90 bottom value=100nF
C274 "Capacitor" C0201_H0P3 147.9,33.25 r90 bottom value=100nF
C275 "Capacitor" C0402 125.475,33 r180 bottom value=100nF
C276 "Capacitor" C0402 130.525,32 r0 bottom value=100nF
C277 "Capacitor" C0402 130.525,31.125 r0 bottom value=4.7uF
C278 "" C0603 109.325,29.6 r270 bottom value=22uF
C279 "" C0603 84.325,29.6 r90 bottom value=22uF
C280 "" C0603 59.325,29.6 r90 bottom value=22uF
C281 "Capacitor" C0402 39.35,29.475 r90 bottom value=100nF
C282 "Capacitor" C0402 38.05,29.475 r90 bottom value=100nF
C283 "Capacitor" C0402 130.525,29.5 r0 bottom value=100nF
C284 "Capacitor" C0402 125.475,29.5 r180 bottom value=100nF
C285 "Capacitor" C0402 128,28.975 r270 bottom value=100nF
C286 "" C0603 112.075,28.15 r90 bottom value=22uF
C287 "" C0603 87.075,28.15 r90 bottom value=22uF
C288 "" C0603 62.075,28.15 r90 bottom value=22uF